# Altium PCB WX0.011.893PCB-4.2(1).PcbDoc (part 2 of 2)
Units mil, origin at the board's own origin, x right, y up, seen from the top; angles counter-clockwise.
Board outline 5217.03 x 8546.54 mil, 2 copper layers (Top Layer, Bottom Layer), stack 65.792 mil thick; 188 components, 141 nets, 602 pads, 484 vias.
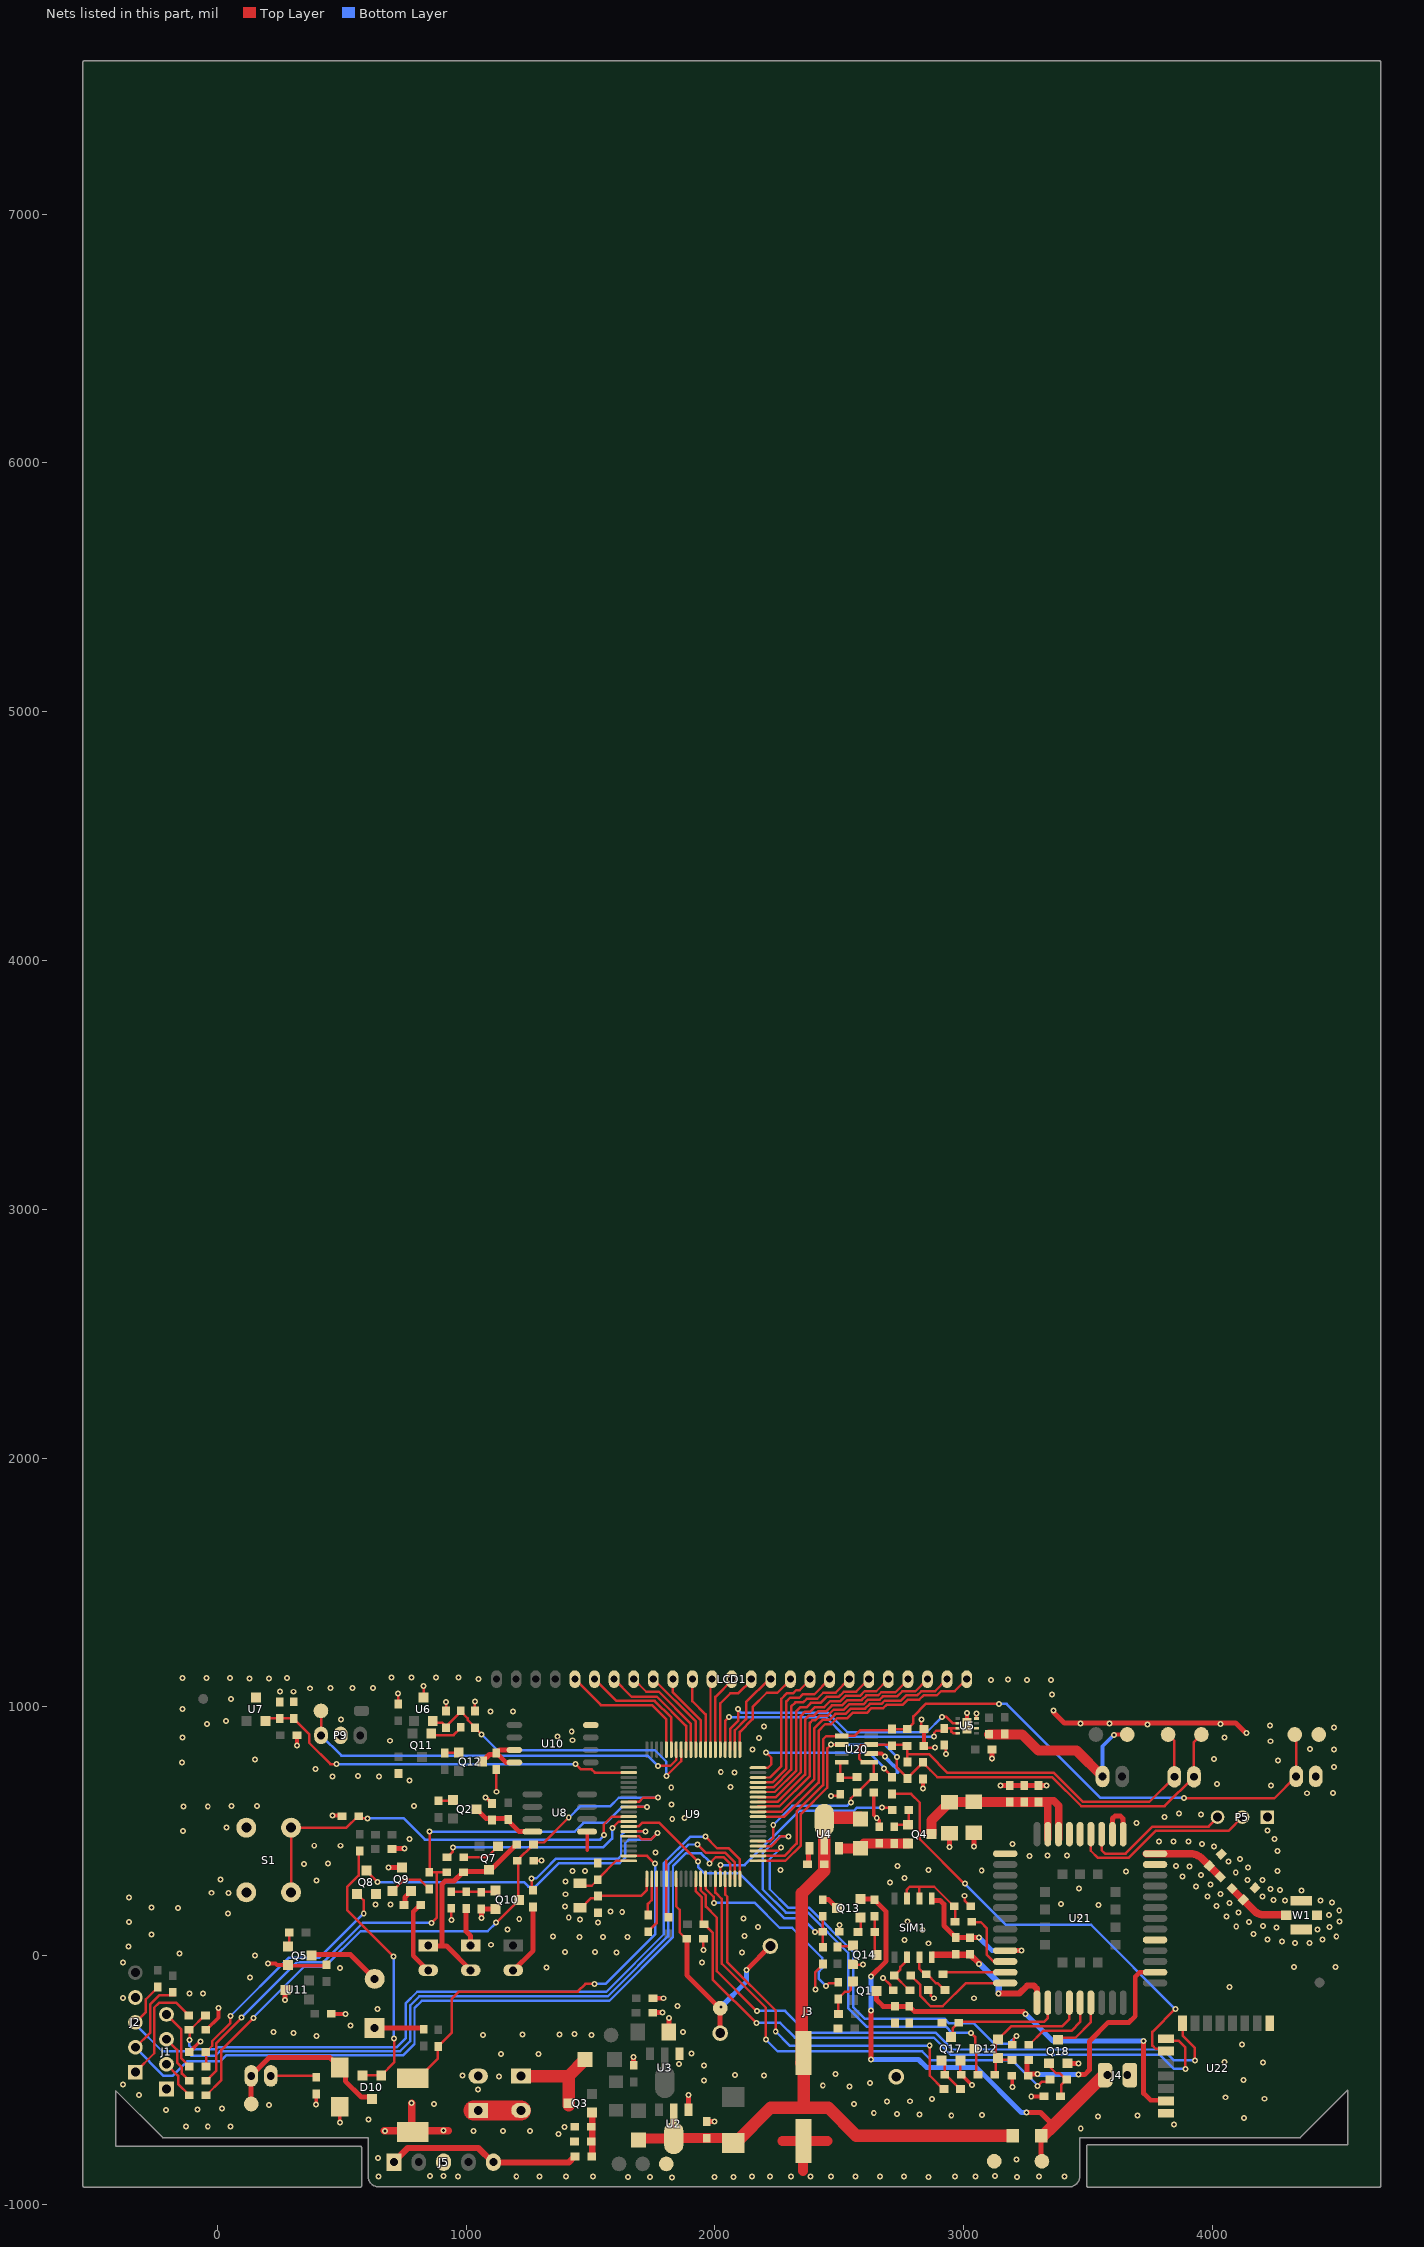
[diagram p2: the nets of this part, all layers, seen from the top]

## Via types
v1: diameter 24, hole 12, Top Layer to Bottom Layer, tented both sides, 484 vias

## Nets (pads, with @x,y where several pads share a name; then routed paths per layer and width w, separated by ;. In a path a pad name is that pad's centre, name@x,y a point inside that pad or via, vN(x,y) a via of type N, cw(c..) or ccw(c..) an arc to the next point about the centre after c; other vN are vias at no path point) (continued)
GND: C1.1 C2.1 C3.2 C4.2 C5.2 C7.2 C8.2 C9.2 C10.2 C13.2 C14.2 C15.2 C16.2 C17.2 C18.2 C19.2 C20.2 C21.2 C22.1 C23.1 C25.2 C26.2 C27.2 C28.2 C29.2 C30.2 C31.2 C32.2 C33.1 C34.2 C35.2 C36.2 C37.2 C38.2 C39.1 C40.2 C41.1 C42.2 C43.2 C44.2 C45.2 C46.2 C47.2 C48.2 C49.2 C50.2 C51.1 C54.2 C55.2 C56.2 C57.2 C58.2 C64.1 FB2.1 J1.1 J2.4 J3.2 J4.1 J5.3 P5.1 P6.2 P9.2 Q5.2 Q8.2 Q9.3 Q10.2 Q14.2 Q17.2 Q18.2 R38.1 R41.1 R52.1 R56.2 R58.1 R60.2 R96.1 S1.2 S2.2 TP5.1 TP6.1 TP12.1 TVS2.1 U2.1 U3.1 U4.1 U5.4 U5.9 U6.3 U7.3 U8.1 U9.63 U9.65 U10.4 U11.3 U20.2 U21.1 U21.27 U21.34 U21.36 U21.37 U21.40 U21.41 U22.1 U22.15 W1.2 | length 5516.5
  Top Layer w10: v1(726,1053) 726,1052 728,1050 C27.2@728,1011.51 ; U6.3@828.86,1037.91 830,1039.05 v1(830,1084) ; C30.2@918,985.51 C30.2@920,983.51 v1(920,1019) ; R41.1@937.2,187 R41.1@940.84,190.64 v1(940.84,144.16) ; C50.2@1035.84,983.51 1036,983.67 v1@1036,1022.67 ; v1@1121.84,656 C36.2@1121.84,748.13 ; C26.2@1272.51,382 v1@1310,382 ; C38.2@1732,97 1766.2,131.2 U9.63@1766.2,308.8 ; C39.1@1805.57,147 U9.65@1805.57,308.8 1805.57,381.57 ; v1(1954,23) 1954,67.49 C10.2@1954.51,68 ; v1@2403,-134 2403,-68 2435,-36 R56.2@2435,-33 ; v1(2467,642) 2497,642 R96.1@2504,649 ; C51.1@2500.49,96 v1@2500.49,125.49 ; Q14.2@2554.76,-36.4 v1@2598,-36.4 ; v1(2676,-89) 2677,-89 2706,-118 C20.2@2706,-132 ; C20.2@2715,-139 C20.2@2717.49,-139 ; v1(2830,949) 2830,919 C35.2@2841,908 ; C33.1@2840.49,843 2847.49,836 v1(2885,836) ; C19.2@2858.49,-138 C19.2@2869,-148.51 ; C19.2@2869,-138 2869,-161 2882,-174 v1@2884,-174 ; v1@2928.84,808 C22.1@2928.84,845.15 ; R52.1@2986.91,-477.34 Q17.2@2986.91,-421.24 ; Q17.2@2990.91,-423.57 Q17.2@2990.91,-420.99 ; v1(3004,241) 3004,221.98 C21.2@3028.34,197.64 ; U5.4@3051.41,953.53 v1@3051.41,974.41
  Top Layer w15: R38.1@-111,-387 v1(-68,-344) ; C43.2@-46.49,-298 -44,-298 5,-249 v1@5,-209 ; v1(205,-31) 234,-31 240.4,-37.4 Q5.2@284.76,-37.4 Q5.2@281.35,-34 ; Q5.2@278,-40.24 435.25,-40.24 C49.2@439,-36.49 ; v1(320.51,845.49) C28.2@320.51,886 ; v1@398,-596 FB2.1@398,-556 ; C48.2@458.51,-233 459.51,-234 v1(516,-234) ; v1(464,564) 497.96,564 C31.2@501.33,560.64 ; v1(493,-671) TVS2.1@493,-606.74 ; v1@1080,637 C34.2@1104.84,612.15 ; U8.1@1485,496.8 U8.1@1486.84,498.64 1486.84,424.84 ; U2.1@1894,-618.04 U2.1@1896.89,-620.93 ; U20.2@2628.8,812.91 2671.09,812.91 v1(2684,800) v1@2686,798 ; C64.1@2638.5,655.01 2638.5,566.5 v1(2651,554) ; v1@2652,553 2661,544 C40.2@2661,518.51 ; v1@2837,673 C46.2@2837,710.49 ; C33.1@2840.49,843 C35.2@2840.49,908.98 ; C35.2@2842.51,911 C35.2@2844,912.49 ; R52.1@2991,-478 v1@3035.5,-522.5 ; U5.9@3014,924 v1@3014,976 ; C25.2@3193.49,-482 3196,-484.51 v1(3196,-528) ; v1(3272,-566) R58.1@3322,-566
  Top Layer w20: v1(273,-178) 273,-139.13 U11.3@274.33,-137.8 ; v1(689,355) 689.24,355.24 Q9.3@742,355.24 ; C8.2@702.34,428.64 703.71,430 v1(753,430) ; v1(1062,151) 1062,187.96 1062.73,187.24 Q10.2@1118.59,187.24 ; C3.2@1674,-440.4 v1(1674,-408) ; C4.2@1750.51,-229 v1@1788,-229 ; C5.2@1751.51,-171 v1(1793,-171) ; C54.2@1815.39,-307 v1@1815.39,-251.61 ; U2.1@1894,-618.04 1894,-561 v1(1894.5,-560.5) ; C7.2@1968,-666.49 1968.51,-667 v1(1999,-667) ; C47.2@2377.49,368 U4.1@2377.49,423.11 ; U4.1@2380.95,428.95 U4.1@2380.95,431.57 ; v1@2944,436 C37.2@2944,491.61 ; v1(3041,439) C9.2@3041,493.3 ; v1@3114.49,791 C23.1@3114.49,829 ; v1(3147.49,684.51) C16.2@3186,684.51 C17.2@3244,684.51 C18.2@3301,684.51 v1@3335.49,684.51 ; v1(3361,986) 3361,979.46 3405.46,935 3512.2,935 3512.73,935.53 4093.47,935.53 v1@4133,896 ; Q18.2@3415,-433 v1(3462,-433) ; U21.37@3598.43,488.58 3598.43,551.43 3609,562 3630,562 3641,551 U21.36@3641,480 ; U21.36@3642,507 U21.36@3643,506
  Top Layer w30: v1@672,-704 929,-704 ; S2.2@781,-703.53 v1(781,-593)
  Top Layer w40: 2271.17,-745.16 2453,-745.16 ; 2355,-865 C14.2@2355,-683.16
  Bottom Layer w15: v1(2684,800) 2684,798.21 2717.71,764.5 2719.5,764.5 2734,750 2734,737
  other v1: 1828,-891 1739,-890 1651,-889 1999,-889 2075,-889 2859,-889 3214,-889 967,-888 1295,-888 1510,-888 2150,-888 2222,-888 2306,-888 2385,-888 2467,-888 2566,-888 2665,-888 2966,-888 3047,-888 3303,-888 649,-887 1202,-887 1401,-887 2761,-887 3406,-887 910,-886 3127,-886 856,-885 3213,-820 647,-813 1372,-717 1031,-705 675,-704 1148,-704 1258,-704 909,-702 3471,-695 1396,-688 -126,-686 -38,-686 53,-686 3845,-678 608,-659 4128,-653 3541,-647 2950.5,-643 3699,-643 3074,-641 2823,-639 2732,-636 2639,-632 -206,-620 -79,-618 19,-615 208,-601 398,-598 2560,-597 871,-596 2692,-586 2784,-585 2873,-576 4209,-575 4052,-569 -314,-559 1048,-538 2541,-526 2434,-522 3034,-520 -378.53,-517.53 2623,-511 1957,-502 4126,-499 1132,-486 985,-482 2198,-481 2081,-479 2486,-476 1957,-441 1857,-436 4204,-429 4048,-428 1291,-396 1141,-395 1906,-394 4120,-356 400,-323 1069,-318 1504,-318 1227,-316 1376,-316 1436,-314 306,-310 226,-306 1872,-306 536,-281 1815,-250 1790,-229 644,-214 5,-210 1851,-203 2881,-171 3042,-171 -378,-170 -111,-152 -57,-151 2404,-135 4068,-125 132,-88 493,-50 1324,-47 4329,-45 4495,-45 2596,-36 -379,-27 1948,-27 152,0 -152,8 1605,12 2109,13 1397,14 1519,14 -356,37 1100,44 2859,50 4333,51 4390,52 4279,57 2762,63 4221,65 4443,66 1456,76 1551,76 1649,76 1350,77 4498,78 2120,80 -265,85 4165,88 2834,104 1167,105 4423,106 4258,113 2173,115 4471,116 4096,118 4204,119 2500.49,124 1531,133 -354,135 4148,135 2775,138 4511,138 1459,145 1214,148 2116,150 1413,153 3468,157 4057,158 4468,164 43,170 4106,174 1628,175 1580,177 4510,182 -158,192 -265,193 1398,197 4016,199 3543,204 637,205 696,205 3392,208 4069,211 4480,213 4434,221 4292,222 4246,224 -355,234 3980,238 4202,238 1400,247 4032,248 46,252 -23,253 4359,263 4272,265 4233,268 3464,270 3935,279 3993,286 2705,294 1399,299 399,303 4201,304 4141,305 13,307 2762,313 3880,318 3954,325 4094,334 3652,338 1429,340 1479,340 4262,340 3073,343 2859,344 2264,345 4143,354 3909,358 2734,360 3853,361 348,368 446,371 4065,378 1304,383 4112,389 3265,401 3338,402 3415,403 1761,414 4261,421 2944,437 4006,439 390,442 495,442 3197,449 3958,449 3785,459 3844,459 3904,459 772,469 4249,469 -137,501 4221,503 37,515 3696,534 1829,550 1878,553 3808,558 3954,568 3866,571 -136,599 -38,599 57,601 159,602 791,602 1826,607 1079,636 4381,653 4485,654 1122,659 2837,672 1825,676 2063,679 4236,684 3334,685 4019,690 772,704 463,721 650,721 565,722 2080,737 2024,739 395,751 4488,758 -142,777 4264,784 152,788 4007,791 3114.49,792 2929,810 2151,829 4488,829 4393,831 4233,862 694,864 1428,866 2178,875 -140,878 4048,878 1368,882 4137,896 1425,901 4489,918 2197,922 4231,926 3739,929 -41,932 4032,932 3470,933 3586,933 36,943 497,949 3052,974 3013,975 1188,981 1098,982 -139,991 1036,1021 55,1031 3355,1049 307,1061 253,1062 373,1075 456,1076 544,1076 627,1076 3110,1109 3255,1109 3351,1109 3178,1110 1050,1113 129,1115 209,1115 -43,1116 52,1116 280,1116 -140,1117 970,1118 701,1119 781,1119 880,1119
GPRS_3.6V: C9.1 C16.1 C17.1 C18.1 C37.1 Q4.3 U21.42 U21.43 | length 884.8
  Top Layer w30: U21.43@3338.58,469 3338.58,617 ; 3338.58,622 3363,622 3381.89,603.11 U21.42@3381.89,468
  Top Layer w40: Q4.3@2870.24,489 2870.24,543.24 C37.1@2944,617 3336,617
HALL1_INTP6: C29.1 C56.1 U7.2 U9.42 | length 1576.4
  Top Layer w10: U7.2@193.23,943.42 203.31,953.51 C56.1@308,953.51 308,952 369,891 369,856 455,770 v1(480,770) ; v1(1441,770) 1462,749 1505,749 1518.04,735.96 U9.42@1653.99,735.96
  Bottom Layer w10: v1(480,770) v1(1441,770)
HALL2_INTP7: C30.1 C50.1 R3.1 U6.2 U9.33 | length 1259.9
  Top Layer w10: U6.2@866.26,943.42 872.69,937 903,937 919.5,920.5 977.84,978.84 R3.1@977.84,983.16 ; R3.1@977.84,985 R3.1@977.84,983.16 ; v1@1064.17,888.17 C50.1@1035.84,916.51 1035.84,918.16 1007,947 1007,954 R3.1@977.84,983.16 ; v1(1805,722) 1864.62,781.62 U9.33@1864.62,828.48
  Bottom Layer w10: v1(1062,890) 1126,826 1759,826 1805,780 v1(1805,722)
IRDA_CTL: R27.1 U9.52 | length 825.6
  Top Layer w10: R27.1@923.84,395.64 947,418.8 v1(947,435) ; v1@1587,512 1614.11,539.11 U9.52@1653.99,539.11
  Bottom Layer w10: v1(947,435) 1551,435 1587,471 1587,512.84 v1@1585.84,514
  other v1: 1588,514
IRDA_POW: D5.1 D6.2 Q7.3 R29.1 R34.2 | length 835
  Top Layer w20: D5.1@848,38.68 922.32,38.68 1019.58,-58.58 D6.2@1028.74,-58.58 ; 903.84,40 903.84,287.84 916,300 952,300 987.64,335.64 R34.2@989.84,335.64 993.2,339 1085.44,339 Q7.3@1091.84,345.39 1100.39,345.39 1202,447 R29.1@1204,447
IRDA_RXD1: C26.1 Q10.3 R29.2 R37.2 U9.48 | length 2617.5
  Top Layer w10: R37.2@-45,-561 -44,-561 17,-500 17,-379 v1@148,-248 ; v1@1118.44,130 Q10.3@1213.08,224.64 ; Q10.3@1209.95,231.51 1209.95,377.56 C26.1@1205.51,382 1270.51,447 R29.2@1271,447 ; R29.2@1267.84,447.64 1275.2,455 1313,455 v1(1413,555) ; U9.48@1653.99,617.85 1694.85,617.85 1712,635 v1(1771,635)
  Bottom Layer w10: v1@142.5,-251.5 350,-44 434,-44 577,99 1087.44,99 v1@1122.44,134 ; v1@1121,132.56 v1(1121,133) ; v1@1413,554 1460,601 1580,601 1614,635 v1(1771,635)
  other v1: 145,-250
IRDA_TXD1: R34.1 R36.2 R40.1 U9.49 | length 2672.9
  Top Layer w8: v1@1727.83,598.17 v1(1728,598)
  Top Layer w10: R36.2@-45,-503 -3,-461 -3,-351.25 v1@100.12,-248.12 ; R40.1@846.84,336.64 854,343.8 v1(854,499) ; R40.1@857,335 R34.1@922.2,335 ; v1@861,131 881.84,151.84 881.84,296.95 882,297.11 882,335 ; U9.49@1653.99,598.17 v1@1727.83,598.17
  Bottom Layer w10: v1@95,-251 319,-27 426,-27 585,132 v1(862,132) ; v1(854,499) 1437,499 1472,534 1562.75,534 1626.75,598 v1(1728,598)
  other v1: 97,-249
KEY_INTP0: C31.1 S1.1 U9.51 | length 1747.7
  Top Layer w10: S1.1@296.85,254.65 S1.1@296.85,514.65 519.65,514.65 565.64,560.64 569.18,552 v1@606.36,552 ; v1(1553.84,485.94) 1553.84,526.84 1585.8,558.8 U9.51@1653.99,558.8
  Bottom Layer w10: v1@602,552 750,552 835,467 1539.06,467 v1@1558,485.94
  other v1: 604,552
LED: R7.1 U9.54 | length 700.9
  Top Layer w10: R7.1@1264,260 v1(1264,310) ; U9.54@1653.99,499.74 v1(1721,499.74)
  Bottom Layer w10: v1(1264,310) 1265,311 1282.25,311 1341,369.75 1341,370 1360,389 1610.26,389 1623,401.74 1623,484 1638.74,499.74 v1(1721,499.74)
MCU_RXD0: R22.1 U9.3 | length 1722.7
  Top Layer w10: U9.3@2173.68,421 2255,421 v1@2268,434 ; R22.1@3195.5,-358 3201,-352.5 3201,-335 3214,-322 v1(3212,-322)
  Bottom Layer w10: v1(2267,434) 2221,388 2221,267 2295,193 2379.04,193 2556.04,16 2556.04,-207 2602.04,-253 2923.25,-253 2942,-271.75 3041.75,-271.75 3123,-353 3181,-353 v1(3212,-322)
MCU_TXD0: D12.3 R23.2 U9.4 | length 1806
  Top Layer w10: U9.4@2173.68,440.69 2227.25,440.69 2266.56,480 v1(2296,480) ; v1(3030,-310) 3046,-326 3046,-371.76 D12.3@3043.76,-374 ; R23.2@3051,-478 D12.3@3051,-367
  Bottom Layer w10: v1(2296,480) 2260,480 2192,412 2192,267 2286,173 2375,173 2536,12 2536,-211 2610,-285 2928.75,-285 2953.75,-310 v1(3030,-310)
NB_DBG_RXD: P5.3 U21.38 | length 629.7
  Top Layer w10: U21.38@3555,519 3555,424 3569,410 3651,410 3760,519 3985,519 P5.3@4023,557
NB_DBG_TXD: P5.2 U21.39 | length 781.6
  Top Layer w10: U21.39@3511,509 3511,422 3540,393 3663,393 3772,502 4065,502 P5.2@4124,561
NB_POWER: R18.1 U9.76 | length 848.8
  Top Layer w10: U9.76@2022.1,308.8 v1(2022.1,364) ; v1@2670,595 R18.1@2714,595
  Bottom Layer w10: v1(2022.1,364) 2119.96,364 2337.96,582 2558.56,582 2571.56,595 v1@2676,595
  other v1: 2673,595
NB_RESET: R51.1 U9.77 | length 1556.6
  Top Layer w10: U9.77@2041.79,308.8 2041.79,246.21 2051,237 2051,-27 2245,-221 v1@2245,-308 ; v1@2864,-359 2864,-482 2918,-536 R51.1@2921,-536
  Bottom Layer w10: v1@2243,-303 2301,-361 v1(2864,-361) 2866,-361 v1@2867,-362 ; v1@2249,-308 v1@2249,-306 ; v1@2858,-362 v1@2860,-364
  other v1: 2245,-305
NB_RXD: D12.1 D12.2 R23.1 R24.2 U21.17 | length 619.8
  Top Layer w10: R23.1@3125,-478 3129,-474 3129,-346 3192,-283 3397,-283 3425.2,-254.8 U21.17@3425.2,-164 ; D12.1@3134.91,-414.76 3139.15,-419 R24.2@3194.5,-419
NB_TXD: R22.2 U21.18 | length 321.8
  Top Layer w10: R22.2@3262.5,-358 3264,-358 3320,-302 3433,-302 3468.5,-266.5 U21.18@3468.5,-188.58
"NB_WAKE UP": R57.1 U9.75 | length 1989
  Top Layer w10: U9.75@2002.42,308.8 2002.42,253.62 2028,228.04 2028,-32 2205,-209 v1(2205,-337) v1@2205,-341 ; v1(3298,-523.32) 3298.44,-523.32 3315.76,-506 R57.1@3356.5,-506 ; R57.1@3339.5,-506 R57.1@3347.5,-498
  Bottom Layer w10: v1(2205,-337) 2253,-385 2834,-385 2870,-421 3197,-421 v1@3302,-526 ; v1@3298,-523 v1@3301,-523
NetB1_1: B1.1 R42.1 | length 208
  Top Layer w20: B1.1@624,-290 R42.1@832,-290
NetB1_2: B1.2 Q5.3 | length 303.4
  Top Layer w20: Q5.3@374,4 535.85,4 B1.2@635.93,-96.07
NetC1_2: C1.2 R2.1 W1.1 | length 264.3
  Top Layer w30: R2.1@4079,270 4166.47,182.47 ; 4165,184 ccw(c4206.87,219.66) 4207,164.66 ; 4204.75,164.66 4295.02,164.66 W1.1@4296.8,162.89
  Top Layer w32: R2.1@4079,270 R2.1@4079,270
NetC2_2: C2.2 R2.2 U21.35 | length 334.4
  Top Layer w30: U21.35@3734,409.84 3914,409.84 ; 3912.64,409.65 cw(c3912.64,345.02) 3960,389 R2.2@4031.62,317.38
NetC6_1: C6.1 Q3.3 R63.2 | length 401.4
  Top Layer w50: C6.1@1221,-484.78 1413,-484.78 Q3.3@1413,-601 ; 1413,-483.89 R63.2@1478.89,-418
NetC6_2: C6.2 C44.1 | length 191
  Top Layer w80: C44.1@1030,-621.58 C6.2@1221,-621.58
NetC32_1: C32.1 Q10.1 R39.1 R41.2 | length 173.4
  Top Layer w10: R41.2@940.84,257.64 Q10.1@1114.19,257.64
NetC34_1: C34.1 Q2.3 R45.1 U8.8 | length 270.1
  Top Layer w20: Q2.3@1042.08,588.64 1043.36,588.64 1081,551 1098.98,551 C34.1@1104.84,545.15 1110.69,551 1166.47,551 R45.1@1169.84,547.64 1169.84,542.16 1213.36,498.64 U8.8@1266.84,498.64
NetC36_1: C36.1 Q12.3 U10.7 U10.8 | length 237.7
  Top Layer w20: Q12.3@1065.24,780 1094.24,809 1115.71,809 C36.1@1121.84,815.13 ; U10.8@1194.75,777 1159.97,777 C36.1@1121.84,815.13 ; U10.7@1194.75,827 1133.71,827 C36.1@1121.84,815.13
NetC38_1: C38.1 U9.62 | length 155.2
  Top Layer w10: C38.1@1731,160 1731,208 1746.51,223.51 U9.62@1746.51,308.8
NetC40_1: C40.1 Q4.2 R16.2 R50.2 U4.3 | length 280.1
  Top Layer w40: U4.3@2504,431.57 2579.68,431.57 2584,435.89 2599.62,451.51 C40.1@2661,451.51 2775.67,451.51 Q4.2@2775.76,451.6
NetC57_1: C57.1 Q3.1 R60.1 R61.1 | length 177.6
  Top Layer w25: R61.1@1507.24,-804 Q3.1@1507.24,-626.4
NetD5_2: D5.2 R35.2 | length 298.5
  Top Layer w20: R35.2@812,204 812,201 788,177 788,0 846.58,-58.58 D5.2@848.31,-58.58
NetD6_1: D6.1 R39.2 | length 155.7
  Top Layer w20: R39.2@1000.84,189.64 1000.84,97.16 1018.9,79.1 D6.1@1018.9,41.42
NetD7_2: D7.2 R7.2 | length 314.4
  Top Layer w20: D7.2@1189,-61 1270,20 R7.2@1270,199 ; D7.2@1200,-64 D7.2@1200,-51 ; D7.2@1213.42,-60.39 D7.2@1213.42,-52.58
NetD10_1: D10.1 D10.2 FB1.2 | length 1101.5
  Top Layer w10: FB1.2@573,421 568,416 568,322 522,276 522,184 708.5,-2.5 v1(709.5,-2.5) ; D10.2@584.6,-480.76 D10.1@659.4,-480.76 711,-429.16 v1(711,-332)
  Bottom Layer w10: v1@708.5,-334.5 v1(711,-332) 710,-331 710,-3 v1(709.5,-2.5)
NetD10_3: D10.3 P2.2 TP20.1 TVS2.2 | length 718
  Top Layer w20: TP20.1@136.63,-596 P2.2@136.63,-483 136.63,-481.37 209,-409 452.74,-409 TVS2.2@493,-449.26 515,-471.26 515,-504 579,-568 614.76,-568 D10.3@622,-575.24
NetFB2_2: FB2.2 P2.1 | length 185.1
  Top Layer w10: P2.1@215.37,-483 392,-483 FB2.2@398,-489
NetJ1_2: J1.2 R37.1 | length 163.1
  Top Layer w10: J1.2@-204,-436 -157,-483 -157,-516 R37.1@-112,-561
NetJ1_3: J1.3 R36.1 | length 207.2
  Top Layer w10: J1.3@-204,-336 -161,-379 -161,-430 -142,-449 -142,-473.96 -120,-495.96 R36.1@-120,-499 ; R36.1@-119.5,-498.5 -115,-503 R36.1@-112,-503
NetJ1_4: J1.4 R31.1 | length 247.1
  Top Layer w10: J1.4@-204,-236 -144,-296 -144,-413 R31.1@-112,-445
NetJ2_1: J2.1 R1.2 | length 458.1
  Top Layer w10: J2.1@-329,-468 -253,-392 -253,-209 -234,-190 -164,-190 R1.2@-114,-240
NetJ5_1: J5.1 J5.5 R61.2 | length 792.4
  Top Layer w25: J5.1@707,-835 707,-832 766,-773 1050,-773 1108,-831 1414,-831 R61.2@1438,-807
NetQ1_1: Q1.1 R15.2 R17.2 | length 164.9
  Top Layer w10: R15.2@2497,-234 2497,-175 R17.2@2496,-174 2496,-172 2523,-145 2539,-145 2547,-137 2547,-112.35 Q1.1@2555.76,-103.6
NetQ2_1: Q2.1 R44.2 | length 54.4
  Top Layer w10: R44.2@889.84,622.64 Q2.1@944.19,622.64
NetQ4_1: Q4.1 R16.1 R18.2 | length 113.6
  Top Layer w10: R16.1@2721,518 2729.4,526.4 Q4.1@2775.76,526.4 ; Q4.1@2780,530.65 R18.2@2780,586
NetQ5_1: Q5.1 R47.2 | length 57.8
  Top Layer w10: Q5.1@284.76,37.4 290,42.65 R47.2@290,93
NetQ7_1: Q7.1 R27.2 | length 156.7
  Top Layer w10: R27.2@990.84,395.64 1084.99,395.64 Q7.1@1129.24,439.88
NetQ8_1: Q8.1 R31.2 R38.2 | length 1045.5
  Top Layer w10: R38.2@-46,-387 R38.2@-45,-386 ; R31.2@-45,-445 R38.2@-45,-386 ; v1(53,-243) 53,-270 -20,-343 -20,-362 -44,-386 R38.2@-45,-386 ; Q8.1@562.6,248.76 589,222.35 v1(589,169)
  Bottom Layer w10: v1@50.5,-245.5 288,-8 411,-8 588,169 v1(589,169)
NetQ9_1: Q9.1 R40.2 | length 181.6
  Top Layer w10: Q9.1@704.6,260.76 748.84,305 816,305 852,269 R40.2@852,268
NetQ9_2: Q9.2 R35.1 | length 79
  Top Layer w20: R35.1@745,204 754,213 754,234 Q9.2@786,266
NetQ11_1: Q11.1 R3.2 | length 135.5
  Top Layer w10: Q11.1@860.24,893.7 866.93,887.01 950.01,887.01 979,916 R3.2@979,918
NetQ12_1: Q12.1 R49.2 | length 54.4
  Top Layer w10: R49.2@914,815 Q12.1@968.35,815
NetQ13_1: Q13.1 R55.2 | length 48.4
  Top Layer w10: R55.2@2586.24,105.24 Q13.1@2586.24,153.6
NetQ13_3: Q13.3 R9.1 | length 71.8
  Top Layer w20: R9.1@2434,225 2457.76,225 Q13.3@2491.76,191
NetQ14_1: Q14.1 R14.2 | length 58.4
  Top Layer w10: R14.2@2496.4,38.4 Q14.1@2554.76,38.4
NetQ14_3: Q14.3 R10.1 R55.1 | length 149.8
  Top Layer w10: R55.1@2642,96 R10.1@2642,158 ; Q14.3@2643,7.24 R55.1@2643,95
NetQ17_1: Q17.1 R51.2 R52.2 | length 160.1
  Top Layer w10: Q17.1@2901.35,-432 Q17.1@2912.1,-421.24 ; Q17.1@2921.5,-426.39 2924,-428.89 2924,-481 2927,-478 2985,-536 R51.2@2988,-536
NetQ18_1: Q18.1 R57.2 R58.2 | length 173.9
  Top Layer w10: Q18.1@3340.5,-441 3372.5,-473 3387,-473 R57.2@3413.25,-499.25 ; R58.2@3396.5,-563 3392,-558.5 3392,-519 3411.75,-499.25 R57.2@3413.25,-499.25 ; R57.2@3414.5,-498 R57.2@3413.25,-499.25
NetR19_1: R19.1 U9.20 | length 672.4
  Top Layer w10: U9.20@2173.68,755.65 2213.6,755.65 2227,769.04 2227,796 2208,815 2209,816 v1(2206,816) ; v1(2680,753) R19.1@2715.01,718.01
  Bottom Layer w10: v1@2205,816.35 2620.65,816.35 v1@2682,755 ; v1(2680,753) 2682,753 v1@2683,754
NetR96_2: R96.2 R97.1 U20.8 | length 130